# Altium PCB Vesa-Esp.PcbDoc
Units mm, origin at the board's own origin, x right, y up, seen from the top; angles counter-clockwise.
Board outline 120.35 x 116.57 mm, 2 copper layers (Top Layer, Bottom Layer); 87 components, 68 nets, 306 pads, 289 vias.
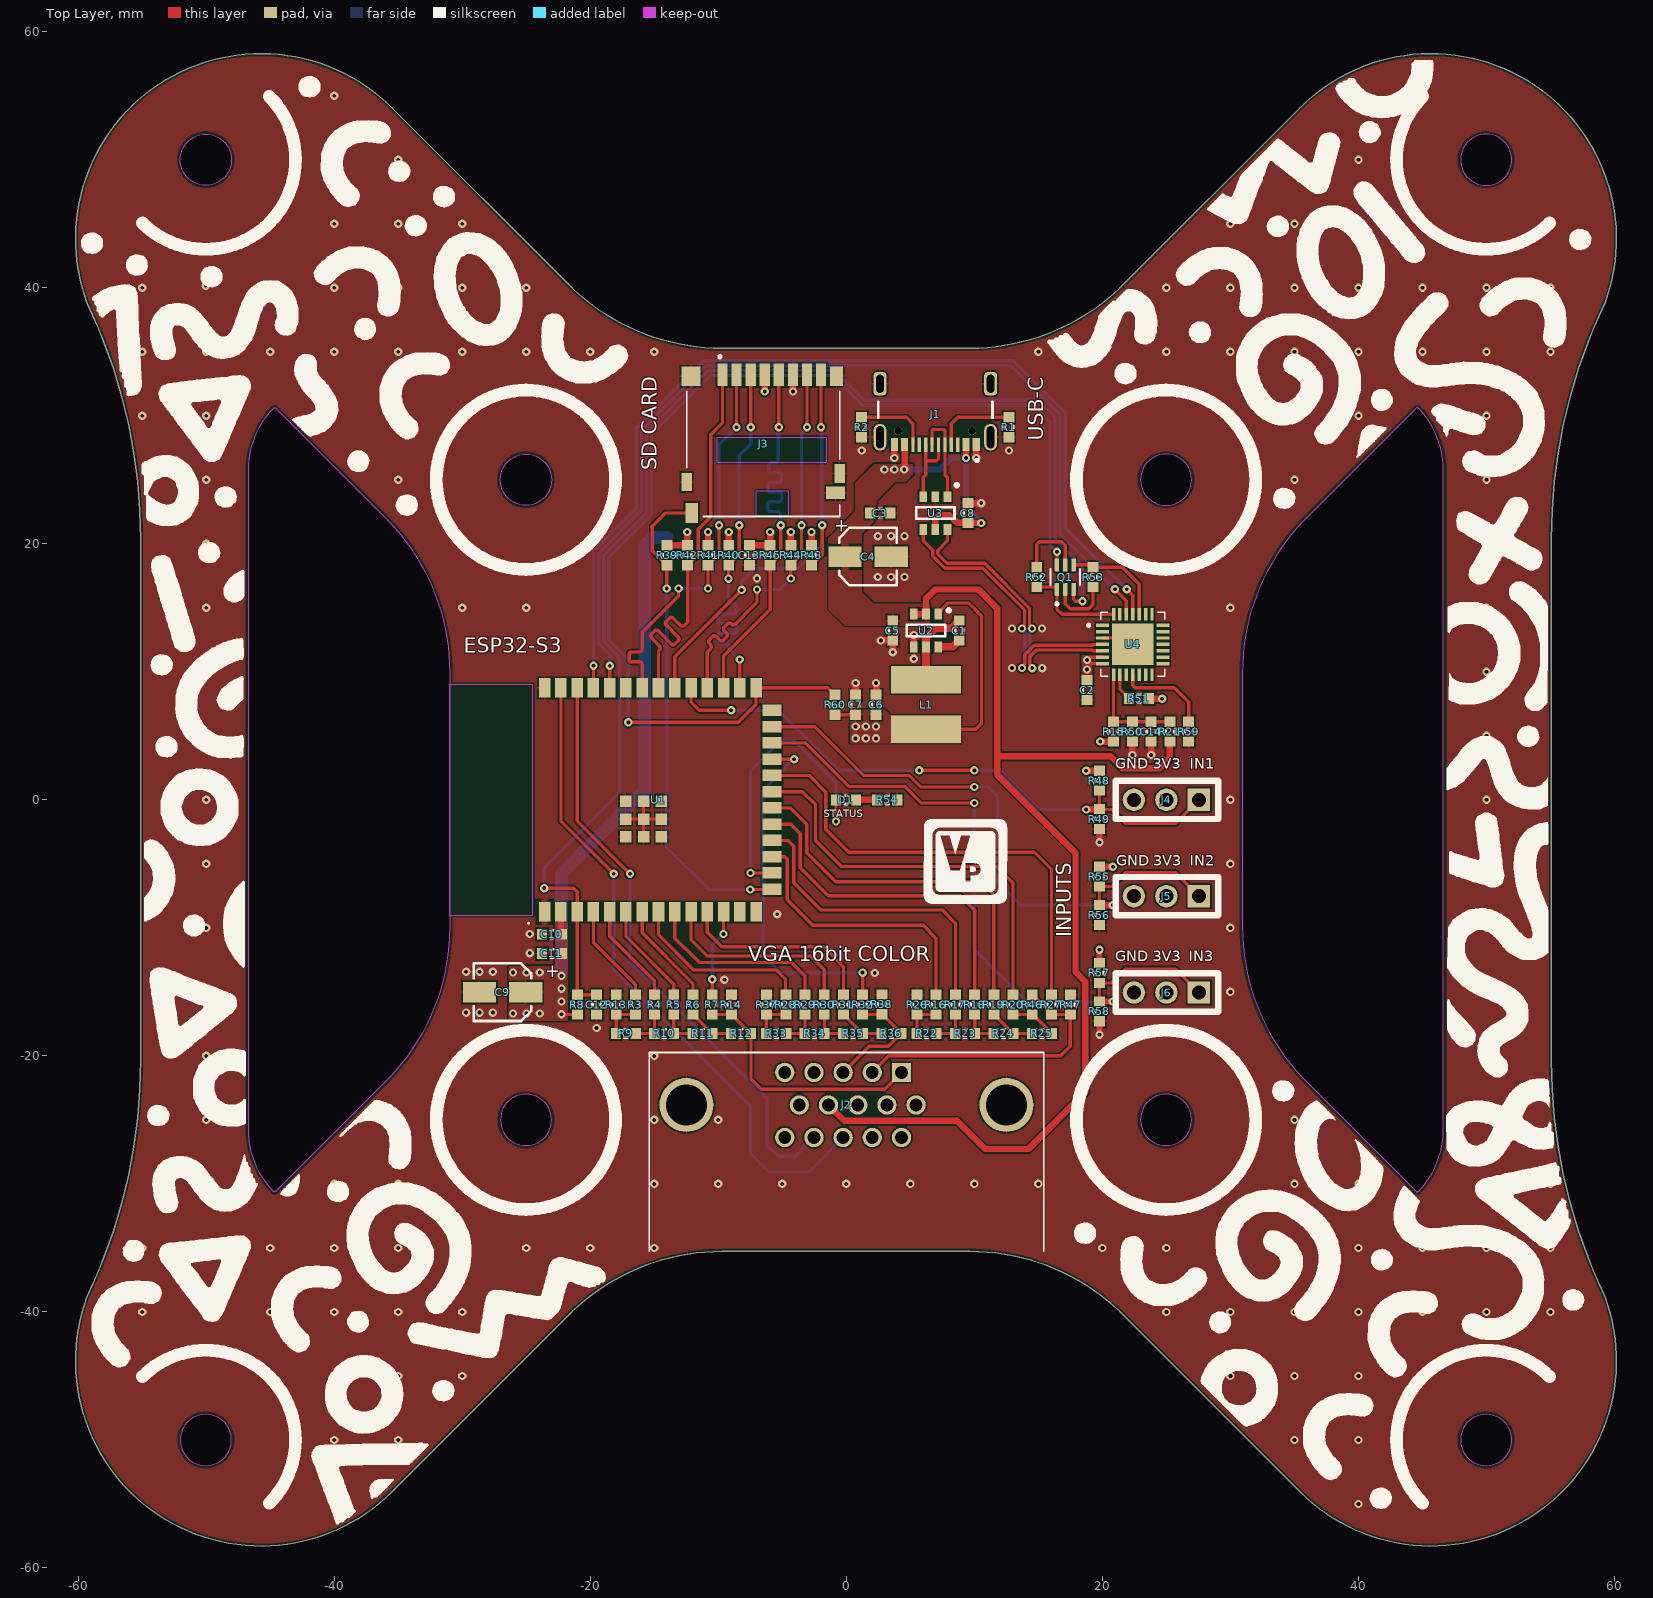
[diagram p0: Top Layer view]
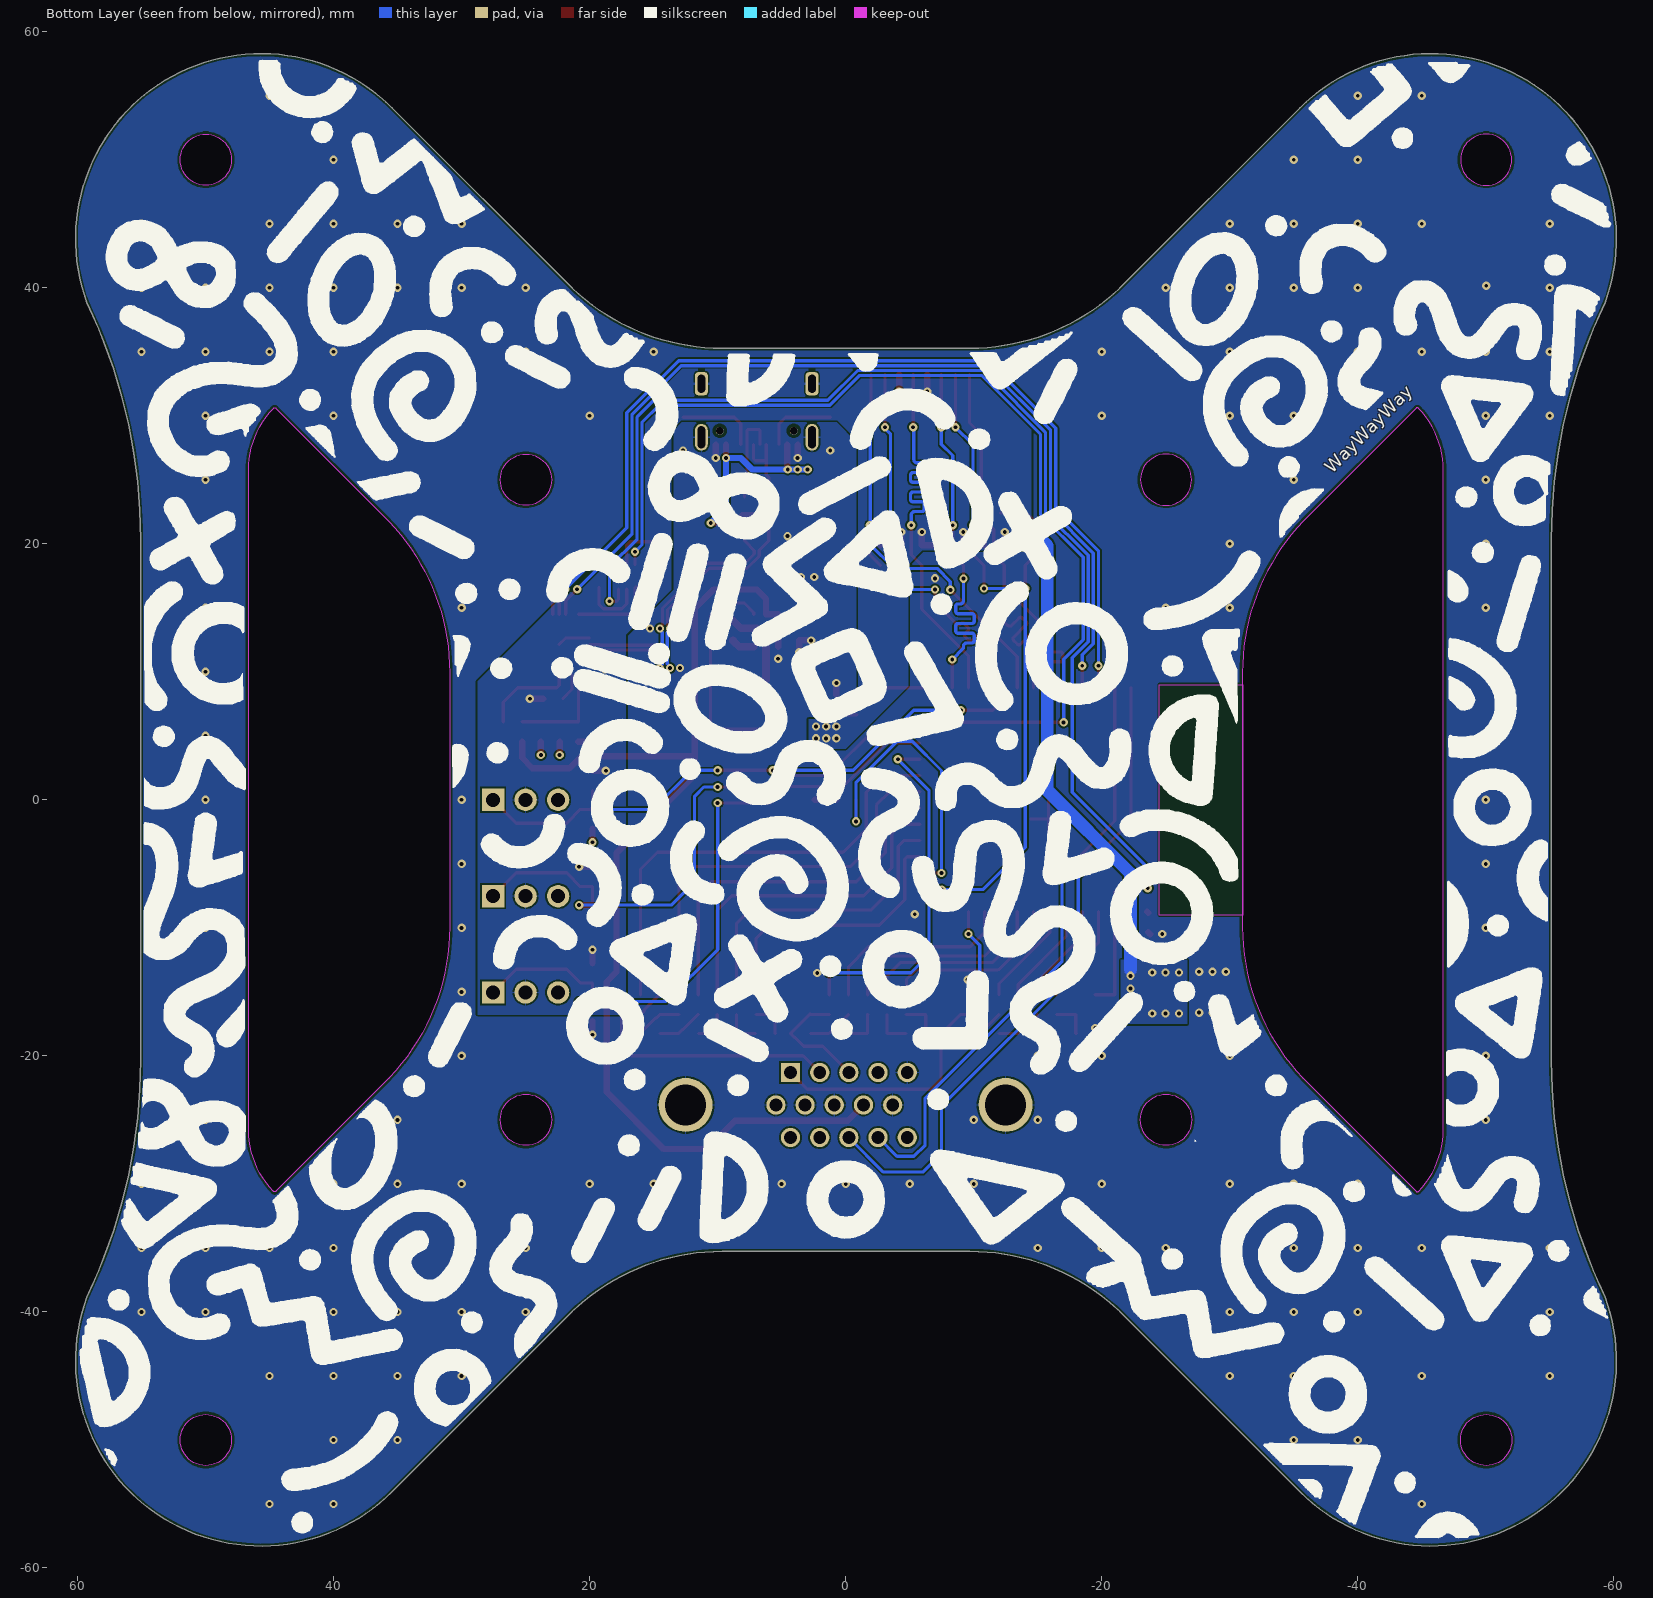
[diagram p1: Bottom Layer view, seen from below]

## Layer stack, top to bottom
Top Solder: solder mask 0.0102, Solder Resist, Dk 3.5
Top Layer: signal copper 0.0356
Dielectric 1: dielectric 0.32, FR-4, Dk 4.8
Bottom Layer: signal copper 0.0356
Bottom Solder: solder mask 0.0102, Solder Resist, Dk 3.5

## Board outline
-59.328,-38.855 ccw(c-97.864,-20.365) -55.122,-20.365 -55.122,20.365 ccw(c-97.864,20.365) -59.328,38.855 cw(c-45.722,43.807) -35.484,54.045 -21.415,39.975 ccw(c-9.694,52.229) -9.694,35.272 9.644,35.272 ccw(c9.644,52.229) 21.365,39.975 35.434,54.045 cw(c45.672,43.807) 59.278,38.855 ccw(c97.814,20.365) 55.072,20.365 55.072,-20.365 ccw(c97.814,-20.365) 59.278,-38.855 cw(c45.672,-43.807) 35.434,-54.045 21.365,-39.975 ccw(c9.644,-52.229) 9.644,-35.272 -9.694,-35.272 ccw(c-9.694,-52.229) -21.415,-39.975 -35.484,-54.045 cw(c-45.722,-43.807)
cut-out: 44.692,-30.588 ccw(c44.183,-30.099) 44.694,-30.586 ccw(c39.623,-25.739) 46.638,-25.739 46.638,25.739 ccw(c39.623,25.739) 44.692,30.588 ccw(c44.6,30.5) 44.501,30.58 35.678,21.757 ccw(c35.759,21.674) 35.675,21.754 ccw(c48.076,9.923) 30.937,9.923 30.937,-9.929 ccw(c31.06,-9.929) 30.937,-9.936 ccw(c48.076,-9.907) 35.647,-21.709 ccw(c35.767,-21.666) 35.678,-21.757 44.501,-30.58 ccw(c44.6,-30.5) 44.691,-30.589 ccw(c44.61,-30.51)
cut-out: -44.742,-30.588 cw(c-44.233,-30.099) -44.744,-30.586 cw(c-39.673,-25.739) -46.688,-25.739 -46.687,25.739 cw(c-39.673,25.739) -44.742,30.588 cw(c-44.65,30.5) -44.551,30.58 -35.727,21.757 cw(c-35.809,21.674) -35.725,21.754 cw(c-48.126,9.923) -30.987,9.923 -30.987,-9.929 cw(c-31.11,-9.929) -30.987,-9.936 cw(c-48.126,-9.907) -35.697,-21.709 cw(c-35.817,-21.666) -35.728,-21.757 -44.551,-30.58 cw(c-44.65,-30.5) -44.741,-30.589 cw(c-44.66,-30.51)
cut-out: -50.025,48 cw(c-50.025,50) -52.025,50 cw(c-50.025,50) -50.025,52 cw(c-50.025,50) -48.025,50 cw(c-50.025,50)
cut-out: -25.025,23 cw(c-25.025,25) -27.025,25 cw(c-25.025,25) -25.025,27 cw(c-25.025,25) -23.025,25 cw(c-25.025,25)
cut-out: 47.975,50 ccw(c49.975,50) 49.975,48 ccw(c49.975,50) 51.975,50 ccw(c49.975,50) 49.975,52 ccw(c49.975,50)
cut-out: 22.975,25 ccw(c24.975,25) 24.975,23 ccw(c24.975,25) 26.975,25 ccw(c24.975,25) 24.975,27 ccw(c24.975,25)
cut-out: 47.975,-50 ccw(c49.975,-50) 49.975,-52 ccw(c49.975,-50) 51.975,-50 ccw(c49.975,-50) 49.975,-48 ccw(c49.975,-50)
cut-out: 22.975,-25 ccw(c24.975,-25) 24.975,-27 ccw(c24.975,-25) 26.975,-25 ccw(c24.975,-25) 24.975,-23 ccw(c24.975,-25)
cut-out: -27.025,-25 ccw(c-25.025,-25) -25.025,-27 ccw(c-25.025,-25) -23.025,-25 ccw(c-25.025,-25) -25.025,-23 ccw(c-25.025,-25)
cut-out: -52.025,-50 ccw(c-50.025,-50) -50.025,-52 ccw(c-50.025,-50) -48.025,-50 ccw(c-50.025,-50) -50.025,-48 ccw(c-50.025,-50)

## Design rules (kind name [scope] priority, off if disabled: settings)
BoardOutlineClearance [All] p1: gap=0.2 ignorepadtopadclearanceinfootprint=FALSE
Clearance [All] p1: gap=0.127 ignorepadtopadclearanceinfootprint=TRUE except(0.254: Arc-Hole Track-Hole SMDPad-Hole THPad-Hole Via-Hole Fill-Hole Poly-Hole Region-Hole Text-Hole)
ComponentClearance [All] p1: gap=0.127 collisioncheckmode=3 verticalgap=0.127 showdistances=TRUE
DiffPairsRouting [All] p1: maxlimit=0.254 minlimit=0.127 mostfreqgap=0.127 toplayer_minwidth=0.127 toplayer_maxwidth=25.4 toplayer_prefwidth=0.127 bottomlayer_minwidth=0.127 bottomlayer_maxwidth=25.4 bottomlayer_prefwidth=0.127 maxuncoupledlength=12.7
Height [All] p1: minheight=0 maxheight=1816.048 prefheight=12.7
HoleSize [All] p1: absolutevalues=TRUE maxlimit=6.3 minlimit=0.3 maxpercent=80.000 minpercent=20.000
HoleToHoleClearance [All] p1: gap=0.254 allowstackedmicrovias=FALSE
MatchedLengths [InxSignalClass('SD')] p1: tolerance=0.1 checknetsindiffpair=FALSE checkdiffpairvsdiffpair=TRUE checkxsignals=TRUE checkothers=TRUE
MinimumAnnularRing [All] p1: minimumring=0.152
MinimumSolderMaskSliver [All] p1: minsoldermaskwidth=0.152
PlaneClearance [All] p1: clearance=0.127
PlaneConnect PlaneConnectPowerPads [InPadClass('PowerPads')] p1: planeconnectstyle=Direct reliefexpansion=0.508 reliefentries=4 reliefconductorwidth=0.254 reliefairgap=0.254
PlaneConnect [All] p2: planeconnectstyle=Relief reliefexpansion=0.3 reliefentries=4 reliefconductorwidth=0.508 reliefairgap=0.254
PolygonConnect PolygonConnectPowerPads [All vs (InPadClass('PowerPads'))] p1: connectstyle=Direct reliefconductorwidth=0.254 reliefentries=4 polygonreliefangle="90 Angle" airgapwidth=0.254
PolygonConnect [All] p2: thpad.connectstyle=Relief thpad.reliefconductorwidth=0.127 thpad.reliefentries=4 thpad.polygonreliefangle="90 Angle" thpad.airgapwidth=0.127 smdpad.connectstyle=Relief smdpad.reliefconductorwidth=0.127 smdpad.reliefentries=4 smdpad.polygonreliefangle="90 Angle" smdpad.airgapwidth=0.127 via.connectstyle=Direct via.reliefconductorwidth=0.127 via.reliefentries=4 via.polygonreliefangle="90 Angle" via.airgapwidth=0.127
RoutingVias [All] p1: holewidth=0.3 width=0.6 viastyle="Through Hole" minholewidth=0.3 minwidth=0.6 maxholewidth=0.6 maxwidth=6.6
SilkToSilkClearance [All] p1: silktosilkclearance=0.127
SilkToSolderMaskClearance [IsPad] p1: minsilkscreentomaskgap=0.127 clearancetoexposedcopper=TRUE
SolderMaskExpansion [All] p1: expansion=0.051 istentingtop=FALSE
UnRoutedNet [All] p1: checkbadconnections=TRUE
Width Width_10mil [All] p1: maxlimit=25.4 minlimit=0.254 preferedwidth=0.254 minimp=50.000000 maximp=50.000000 favimp=50.000000
Width Width_6mil [All] p2: maxlimit=25.4 minlimit=0.152 preferedwidth=0.152 minimp=50.000000 maximp=50.000000 favimp=50.000000
Width Power_20mil [All] p3: maxlimit=25.4 minlimit=0.508 preferedwidth=0.508 minimp=50.000000 maximp=50.000000 favimp=50.000000
Width Power_12mil [All] p4: maxlimit=25.4 minlimit=0.305 preferedwidth=0.305 minimp=50.000000 maximp=50.000000 favimp=50.000000
Width Width_5mil [All] p5: maxlimit=25.4 minlimit=0.127 preferedwidth=0.127 minimp=50.000000 maximp=50.000000 favimp=50.000000
19 further rules are at their usual default settings.

## Classes and differential pairs
net class SD: SD_CLK SD_CMD SD_DAT0 SD_DAT1 SD_DAT2 SD_DAT3
differential pair USB_D: +USB_D_P -USB_D_N
differential pair ESP_USB_D: +ESP_USB_D_P -ESP_USB_D_N

## Components (designator, comment, footprint, x,y, rotation, side; value= is the part's Value field where it differs from the comment)
C1 "100nF 50V" CAPC1608X06N 8.825,13.225 r270 top
C2 "22uF 6V3" CAPC1608X06N 18.8,8.575 r90 top
C3 "100nF 50V" CAPC1608X06N 2.65,22.4 r180 top
C4 "47uF 20V" 865080342006 1.7,19 r180 top
C5 "22uF 6V3" CAPC1608X06N 3.625,13.225 r90 top
C6 "22uF 6V3" CAPC1608X06N 2.325,7.425 r270 top
C7 "22uF 6V3" CAPC1608X06N 0.725,7.425 r270 top
C8 "100nF 50V" CAPC1608X06N 9.5,22.4 r270 top
C9 "47uF 20V" 865080342006 -26.85,-15.025 r0 top
C10 "22uF 6V3" CAPC1608X06N -23,-10.5 r0 top
C11 "100nF 50V" CAPC1608X06N -23,-12 r0 top
C12 "100nF 50V" CAPC1608X06N -19.5,-16 r90 top
C13 "100nF 50V" CAPC1608X06N -7.566,19.1 r90 top
C14 "100nF 50V" CAPC1608X06N 23.808,5.325 r90 top
D1 "QBLP601-IW" LEDC1608X06N -0.025,0 r0 top
J1 "USB4105-GF-A" USB4105-GF-A 6.95,32.5 r180 top
J2 "ICD15S13E4GX00LF" ICD15S13E4GX00LF 0.005,-23.835 r0 top
J3 "DM3D-SF" DM3D-SF -6.498,28.253 r180 top
J4 "Conn_2.54mm_3POS" CONN_2.54MM_3POS 27.54,0 r180 top
J5 "Conn_2.54mm_3POS" CONN_2.54MM_3POS 27.54,-7.525 r180 top
J6 "Conn_2.54mm_3POS" CONN_2.54MM_3POS 27.54,-15.05 r180 top
L1 "3.9uH/3.6A" SDE0604A-3R9M 6.225,7.425 r270 top
Q1 "BC847BS-7-F" SOT65P210X110-6N 17.1,17.4 r90 top
R1 "5K1 1%" RESC1608X06N 12.7,29.1 r90 top
R2 "5K1 1%" RESC1608X06N 1.2,29.1 r90 top
R3 "300R 1%" RESC1608X06N -16.475,-16 r270 top
R4 "300R 1%" RESC1608X06N -14.975,-16 r270 top
R5 "300R 1%" RESC1608X06N -13.475,-16 r270 top
R6 "300R 1%" RESC1608X06N -11.975,-16 r270 top
R7 "300R 1%" RESC1608X06N -10.475,-16 r270 top
R8 "10K 1%" RESC1608X06N -21,-16 r90 top
R9 "150R 1%" RESC1608X06N -17.225,-18.25 r0 top
R10 "150R 1%" RESC1608X06N -14.225,-18.25 r0 top
R11 "150R 1%" RESC1608X06N -11.225,-18.25 r0 top
R12 "150R 1%" RESC1608X06N -8.225,-18.25 r0 top
R13 "300R 1%" RESC1608X06N -17.975,-16 r270 top
R14 "150R 1%" RESC1608X06N -8.975,-16 r90 top
R15 "0R 1%" RESC1608X06N 20.875,5.325 r270 top
R16 "300R 1%" RESC1608X06N 7,-16 r270 top
R17 "300R 1%" RESC1608X06N 8.525,-16 r270 top
R18 "300R 1%" RESC1608X06N 10.025,-16 r270 top
R19 "300R 1%" RESC1608X06N 11.525,-16 r270 top
R20 "300R 1%" RESC1608X06N 13.025,-16 r270 top
R21 "22K1 1%" RESC1608X06N 25.275,5.325 r270 top
R22 "150R 1%" RESC1608X06N 6.275,-18.25 r0 top
R23 "150R 1%" RESC1608X06N 9.275,-18.25 r0 top
R24 "150R 1%" RESC1608X06N 12.275,-18.25 r0 top
R25 "150R 1%" RESC1608X06N 15.275,-18.25 r0 top
R26 "300R 1%" RESC1608X06N 5.525,-16 r270 top
R27 "300R 1%" RESC1608X06N 16.025,-16 r270 top
R28 "300R 1%" RESC1608X06N -4.725,-16 r270 top
R29 "300R 1%" RESC1608X06N -3.225,-16 r270 top
R30 "300R 1%" RESC1608X06N -1.725,-16 r270 top
R31 "300R 1%" RESC1608X06N -0.225,-16 r270 top
R32 "300R 1%" RESC1608X06N 1.275,-16 r270 top
R33 "150R 1%" RESC1608X06N -5.475,-18.25 r0 top
R34 "150R 1%" RESC1608X06N -2.475,-18.25 r0 top
R35 "150R 1%" RESC1608X06N 0.525,-18.25 r0 top
R36 "150R 1%" RESC1608X06N 3.525,-18.25 r0 top
R37 "300R 1%" RESC1608X06N -6.225,-16 r270 top
R38 "150R 1%" RESC1608X06N 2.775,-15.975 r90 top
R39 "10K 1%" RESC1608X06N -14,19.1 r270 top
R40 "10K 1%" RESC1608X06N -9.184,19.1 r270 top
R41 "10K 1%" RESC1608X06N -10.802,19.1 r270 top
R42 "10K 1%" RESC1608X06N -12.419,19.1 r270 top
R43 "10K 1%" RESC1608X06N -2.713,19.1 r270 top
R44 "10K 1%" RESC1608X06N -4.331,19.1 r270 top
R45 "10K 1%" RESC1608X06N -5.949,19.1 r270 top
R46 "150R 1%" RESC1608X06N 14.525,-16 r90 top
R47 "300R 1%" RESC1608X06N 17.525,-16 r270 top
R48 "10K 1%" RESC1608X06N 19.775,1.5 r270 top
R49 "10K 1%" RESC1608X06N 19.775,-1.5 r270 top
R50 "47K5 1%" RESC1608X06N 22.342,5.325 r90 top
R51 "10K 1%" RESC1608X06N 22.85,7.9 r180 top
R52 "10K 1%" RESC1608X06N 14.875,17.4 r270 top
R53 "10K 1%" RESC1608X06N 19.275,17.4 r90 top
R54 "300R 1%" RESC1608X06N 3.2,0 r180 top
R55 "10K 1%" RESC1608X06N 19.775,-6 r270 top
R56 "10K 1%" RESC1608X06N 19.775,-9 r270 top
R57 "10K 1%" RESC1608X06N 19.775,-13.525 r270 top
R58 "10K 1%" RESC1608X06N 19.775,-16.525 r270 top
R59 "10K 1%" RESC1608X06N 26.742,5.325 r90 top
R60 "10K 1%" RESC1608X06N -0.875,7.425 r90 top
U1 "ESP32-S3-WROOM-1-N16R8" ESP32-S3-WROOM -18.3,0 r90 top
U2 "AP63203WU-7" SOT95P245X100-6N 6.225,13.225 r270 top
U3 "USBLC6-2SC6" SOT95P245X100-6N 6.95,22.4 r270 top
U4 "CP2102N-A02-GQFN28" QFN50P500X500X80-29N 22.375,12.14 r0 top

## Footprints (in the part's own frame and the unit in brackets; to place one, negate y for a bottom-side part, rotate by r counter-clockwise, add the part's x,y. Pads: shape width x height; smd on the part's side, far side on the other; paste and mask are expansions set on the pad)
865080342006 [mm]
  rect 2.6x1.6 smd: 1(1.8,0) 2(-1.8,0)
  silkscreen extent -2.25,-2.25 2.25,2.25, body extent -2.5,-2.15 2.5,2.15, height 5.5
CAPC1608X06N [mm] "Chip Capacitor, 2-Leads, Body 1.60x0.80mm, IPC Medium Density"
  rect 0.8x0.85 smd: 1(-0.775,0) 2(0.775,0)
  silkscreen extent -0.1,-0.33 0.1,0.33, body extent -0.8,-0.4 0.8,0.4, height 0.6
CONN_2.54MM_3POS [mm]
  rect 1.75x1.75 hole 1.1: 1(0,0)
  round 1.75 hole 1.1: 2(2.54,0) 3(5.08,0)
  silkscreen extent -1.5,-1.5 6.5,1.5
DM3D-SF [mm]
  rect 0.8x1.75 smd: 1(3.173,-4.953) 2(2.073,-4.953) 3(0.973,-4.953) 4(-0.127,-4.953) 5(-1.227,-4.953) 6(-2.327,-4.953) 7(-3.427,-4.953) 8(-4.527,-4.953)
  rect 1x1.5 smd: S1(-5.727,-4.828)
  rect 1.5x1.5 smd: S2(5.623,-4.828)
  rect 0.8x1.5 smd: S3(-5.977,2.772)
  rect 0.8x1.4 smd: S4(5.973,3.422)
  rect 1x1.55 smd: SW-A(5.573,5.847)
  rect 1.45x1 smd mask+0.03: SW-B(-5.652,4.272)
  Top Layer keep-out region: 3.573,-0.078 -4.927,-0.078 -4.927,1.922 3.573,1.922
  Top Layer keep-out region: 0.523,4.122 -1.977,4.122 -1.977,6.122 0.523,6.122
  silkscreen extent -5.98,-6.45 5.97,6.12, body extent -5.97,-5.34 5.97,6.11, height 1.56
ESP32-S3-WROOM [mm]
  rect 1.5x0.9 smd: 1(-8.75,5.26) 2(-8.75,3.99) 3(-8.75,2.72) 4(-8.75,1.45) 5(-8.75,0.18) 6(-8.75,-1.09) 7(-8.75,-2.36) 8(-8.75,-3.63) 9(-8.75,-4.9) 10(-8.75,-6.17) 11(-8.75,-7.44) 12(-8.75,-8.71) 13(-8.75,-9.98) 14(-8.75,-11.25) 27(8.75,-11.25) 28(8.75,-9.98) 29(8.75,-8.71) 30(8.75,-7.44) 31(8.75,-6.17) 32(8.75,-4.9) 33(8.75,-3.63) 34(8.75,-2.36) 35(8.75,-1.09) 36(8.75,0.18) 37(8.75,1.45) 38(8.75,2.72) 39(8.75,3.99) 40(8.75,5.26)
  rect 0.9x1.5 smd: 15(-6.985,-12.5) 16(-5.715,-12.5) 17(-4.445,-12.5) 18(-3.175,-12.5) 19(-1.905,-12.5) 20(-0.635,-12.5) 21(0.635,-12.5) 22(1.905,-12.5) 23(3.175,-12.5) 24(4.445,-12.5) 25(5.715,-12.5) 26(6.985,-12.5)
  rect 0.9x0.9 smd: 41(-2.9,-2.46) 41(-2.9,-1.06) 41(-2.9,-3.86) 41(-1.5,-1.06) 41(-1.5,-3.86) 41(-1.5,-2.46) 41(-0.1,-1.06) 41(-0.1,-2.46) 41(-0.1,-3.86)
  silkscreen extent -9.7,6.48 -9.6,6.57, body extent -9,-12.75 9,12.75, height 3.25
ICD15S13E4GX00LF [mm]
  rect 1.508x1.508 hole 1: 1(4.305,2.54)
  round 1.508 hole 1: 2(2.025,2.54) 3(-0.255,2.54) 4(-2.535,2.54) 5(-4.815,2.54) 6(5.445,0) 7(3.165,0) 8(0.885,0) 9(-1.395,0) 10(-3.675,0) 11(4.305,-2.54) 12(2.025,-2.54) 13(-0.255,-2.54) 14(-2.535,-2.54) 15(-4.815,-2.54)
  round 4.216 hole 3.2: S1(-12.495,0) S2(12.495,0)
  silkscreen extent -15.41,-11.43 15.41,4.1, body extent -15.51,-17.53 15.5,4.05, height 12.55
LEDC1608X06N [mm] "Chip LED, 2-Leads, Body 1.60x0.80mm, IPC Medium Density"
  rect 0.8x0.85 smd: 1(-0.775,0) 2(0.775,0)
  silkscreen extent -0.1,-0.33 0.1,0.33, body extent -0.8,-0.4 0.8,0.4, height 0.6
QFN50P500X500X80-29N [mm]
  rect 0.99x0.27 smd mask+0.035: 1(-2.36,1.5) 2(-2.36,1) 3(-2.36,0.5) 4(-2.36,0) 5(-2.36,-0.5) 6(-2.36,-1) 7(-2.36,-1.5) 15(2.36,-1.5) 16(2.36,-1) 17(2.36,-0.5) 18(2.36,0) 19(2.36,0.5) 20(2.36,1) 21(2.36,1.5)
  rect 0.27x0.99 smd mask+0.035: 8(-1.5,-2.36) 9(-1,-2.36) 10(-0.5,-2.36) 11(0,-2.36) 12(0.5,-2.36) 13(1,-2.36) 14(1.5,-2.36) 22(1.5,2.36) 23(1,2.36) 24(0.5,2.36) 25(0,2.36) 26(-0.5,2.36) 27(-1,2.36) 28(-1.5,2.36)
  rect 3.25x3.25 smd paste-0.597 mask+0.04: 29(0,0)
  silkscreen extent -3.55,-2.5 2.5,2.5, body extent -2.5,-2.5 2.5,2.5, height 0.81
RESC1608X06N [mm] "Chip Resistor, 2-Leads, Body 1.60x0.80mm, IPC Medium Density"
  rect 0.8x0.85 smd: 1(-0.775,0) 2(0.775,0)
  silkscreen extent -0.1,-0.33 0.1,0.33, body extent -0.8,-0.4 0.8,0.4, height 0.6
SDE0604A-3R9M [mm]
  rect 2.15x5.5 smd: 1(-1.945,0) 2(1.905,0)
  body extent -2.8,-2.61 2.78,2.59, height 4.52
SOT65P210X110-6N [mm]
  rrect25% 1.02x0.36 smd: 1(-0.955,0.65) 2(-0.955,0) 3(-0.955,-0.65) 4(0.955,-0.65) 5(0.955,0) 6(0.955,0.65)
  silkscreen extent -2.18,-1.15 0.63,1.15, body extent -1.05,-1 1.05,1, height 1.1
SOT95P245X100-6N [mm] "SOT23, 6-Leads, Body 2.90x2.45mm, Pitch 0.95mm, IPC Medium Density"
  rect 0.85x0.6 smd: 1(-1.275,0.95) 2(-1.275,0) 3(-1.275,-0.95) 4(1.275,-0.95) 5(1.275,0) 6(1.275,0.95)
  silkscreen extent -1.7,-1.5 0.45,1.9, body extent -1.45,-1.45 1.45,1.45, height 1